# KiCad board Env-KB60F.kicad_pcb (continued)
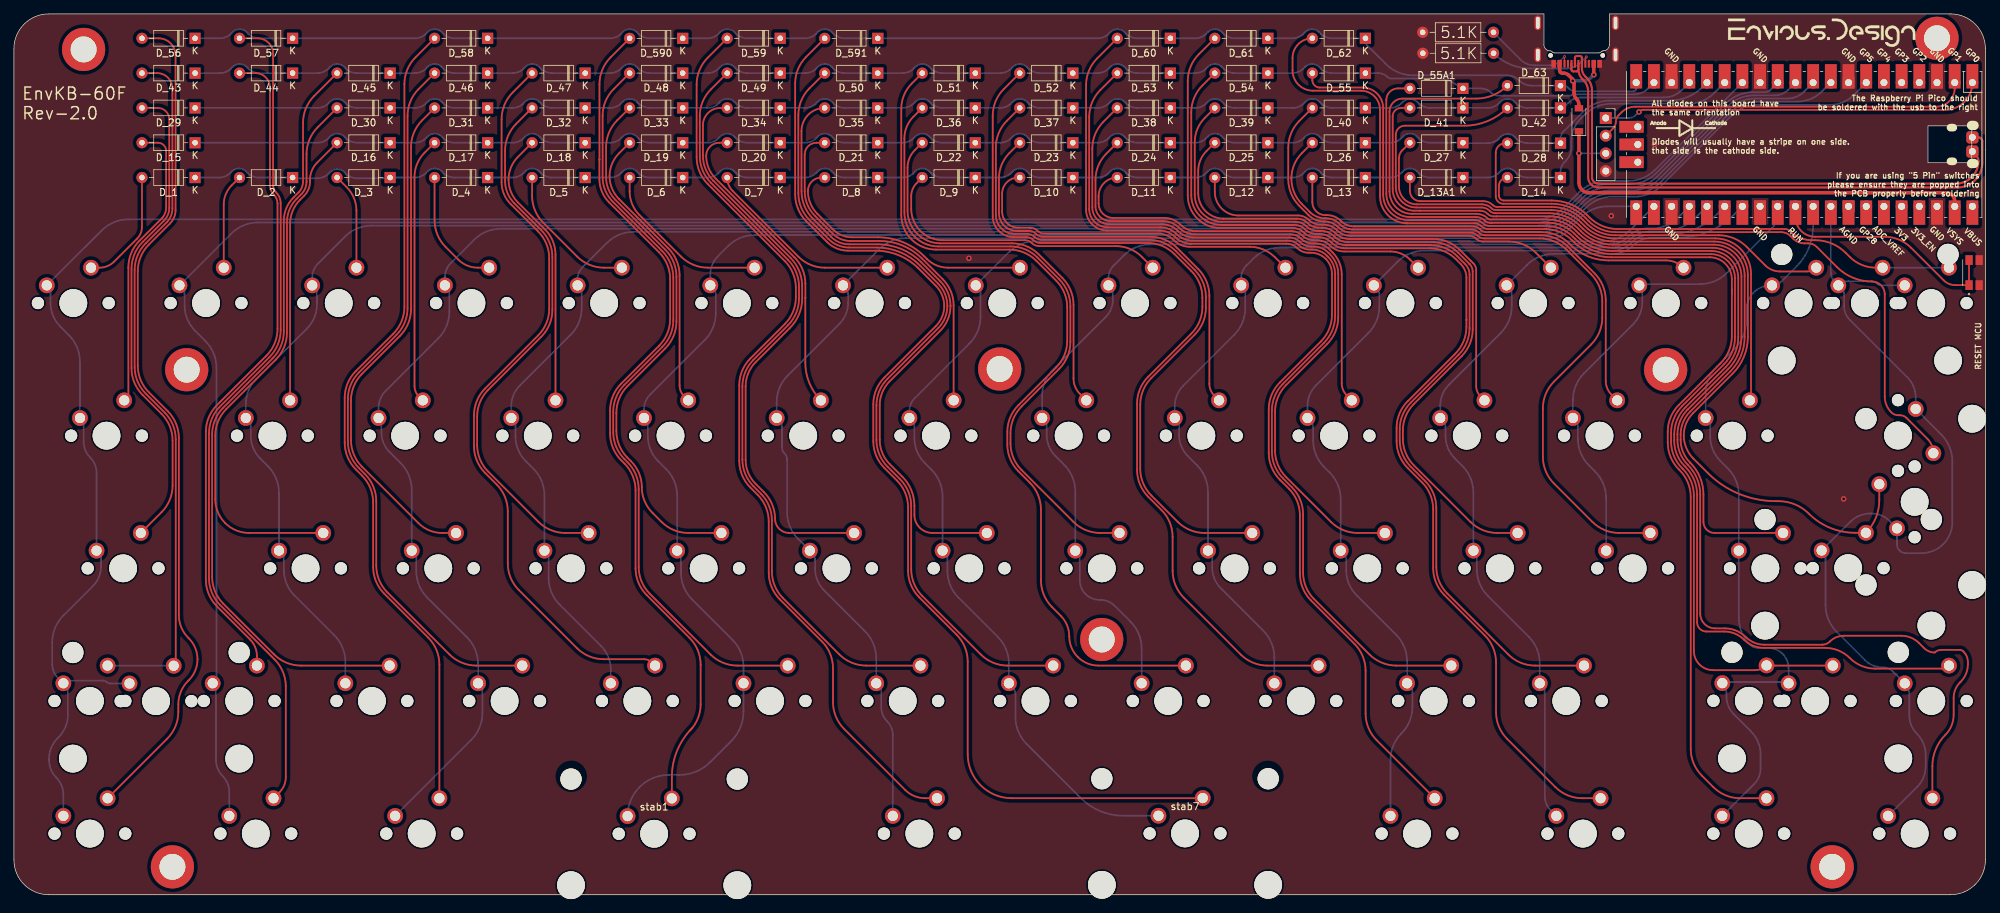
[diagram p0: board, top side]
## Routing (per net, layer and track width the routed paths; a pad name or vN(x,y) marks a point on that pad's centre or on a via; arc(x,y) is an arc through that point) (continued)
col6: length 199.8
  Bottom w0.25: U1.21 228.75,98.86 arc(226.67,98.45) 224.91,97.27 222.74,95.11 arc(221.85,94.51) 220.8,94.3 132.2,94.3 128.05,94.3 arc(125.97,93.89) 124.21,92.71 119.38,87.88 ; 109.49,69 109.49,70.74 arc(109.9,72.82) 111.08,74.58 118.5,82 arc(119.43,83.38) 119.75,85.02 119.75,86.26 arc(119.65,86.74) 119.38,87.15 ; K_61.1 126.16,22.92 arc(125.94,24) 125.33,24.92 arc(124.72,25.84) 124.5,26.92 124.5,29.13 arc(124.41,29.6) 124.14,30 ; 113.88,49.79 112.57,51.09 arc(111.4,52.86) 110.98,54.94 110.98,62.5 arc(110.89,62.98) 110.62,63.38 arc(110.35,63.79) 110.25,64.27 110.25,67.17 arc(110.15,67.66) 109.87,68.08 ; 123.78,30.88 123.78,33.97 arc(123.36,36.05) 122.18,37.82 116.3,43.7 arc(115.34,45.14) 115,46.83 115,48.14 arc(114.9,48.63) 114.63,49.04
col7: length 195.8
  Bottom w0.25: U1.22 231.99,95.44 arc(230.23,94.26) 228.15,93.85 146.65,93.85 arc(144.57,93.44) 142.81,92.26 K_8.1 ; K_612.1 159.24,11.34 arc(155.95,11.99) 153.16,13.86 145.36,21.66 arc(144.18,23.42) 143.77,25.51 143.77,28.76 arc(143.65,29.37) 143.3,29.9 ; 138.75,86.83 138.75,83 arc(138.34,80.92) 137.16,79.16 129.27,71.27 arc(128.73,70.46) 128.54,69.5 128.54,68.97 ; K_36.1 133.3,57.19 arc(132.89,59.28) 131.71,61.04 130.75,62 arc(129.64,63.66) 129.25,65.63 129.25,67.25 arc(129.16,67.72) 128.9,68.11 ; 142.83,31.03 142.83,33.17 arc(142.41,35.25) 141.23,37.02 135.58,42.67 arc(134.41,44.42) 134,46.48 134,48.72
col8: length 153.2
  Bottom w0.25: U1.24 238.88,97.25 arc(237.16,96.1) 235.14,95.7 234.58,95.7 arc(233.07,95.4) 231.8,94.55 arc(230.53,93.7) 229.02,93.4 224.55,93.4 163.15,93.4 arc(161.07,92.99) 159.31,91.81 157.86,90.36 arc(157.31,89.54) 157.12,88.57 K_9.1 ; K_37.1 152.35,57.89 arc(151.94,59.98) 150.76,61.74 149.51,62.99 arc(148.58,64.39) 148.25,66.03 148.25,67.81 ; 153,48.77 153,45.17 arc(153.21,44.09) 153.82,43.17 arc(154.74,42.56) 155.82,42.35 155.9,42.35 arc(157.05,42.12) 158.03,41.47 160.28,39.22 arc(161.46,37.45) 161.88,35.37 161.88,30.37 ; K_22.1 147.59,71.59 arc(148,73.67) 149.18,75.43 156.73,82.98 arc(157.49,84.11) 157.75,85.44 157.75,86.88
col9: length 135.5
  Bottom w0.25: 180.93,30.37 180.93,34.07 arc(180.51,36.15) 179.33,37.92 173.26,43.99 arc(172.33,45.39) 172,47.03 172,48.82 ; K_23.1 166.64,70.18 arc(166.95,71.76) 167.85,73.1 175.16,80.41 arc(176.34,82.17) 176.75,84.25 176.75,86.93 ; U1.25 241.48,97.31 arc(239.2,95.79) 236.5,95.25 234.76,95.25 arc(233.26,94.95) 231.99,94.1 arc(230.71,93.25) 229.21,92.95 226.95,92.95 181.75,92.95 arc(179.67,92.54) 177.91,91.36 176.91,90.36 arc(176.36,89.54) 176.16,88.57 176.16,87.52 ; 167.25,67.86 167.25,66.05 arc(167.58,64.39) 168.52,62.98 169.81,61.69 arc(170.99,59.93) 171.4,57.84 K_38.1
col10: length 135.9
  Bottom w0.25: 190.45,49.98 190.45,56.79 arc(190.04,58.88) 188.86,60.64 188.09,61.41 arc(186.91,63.17) 186.5,65.25 186.5,67.08 arc(186.39,67.61) 186.1,68.06 ; 199.98,30.91 199.98,33.52 arc(199.56,35.6) 198.38,37.37 192.71,43.04 arc(191.63,44.66) 191.25,46.56 191.25,48.05 arc(191.15,48.57) 190.85,49.02 ; 185.69,69.04 185.69,70.2 arc(186.01,71.81) 186.92,73.17 194.42,80.67 arc(195.59,82.42) 196,84.49 196,86.17 arc(195.9,86.69) 195.61,87.12 ; U1.26 244.43,97.72 arc(241.2,95.56) 237.38,94.8 234.95,94.8 arc(233.45,94.5) 232.17,93.65 arc(230.9,92.8) 229.4,92.5 202.45,92.5 arc(200.37,92.09) 198.61,90.91 195.61,87.91 ; K_62.1 197.6,19.37 arc(198.01,21.43) 199.17,23.17 arc(200.34,24.92) 200.75,26.98 200.75,29.05 arc(200.65,29.55) 200.36,29.98
col11: length 119.7
  Bottom w0.25: 214.63,87.88 217.21,90.46 arc(218.97,91.64) 221.05,92.05 229.58,92.05 arc(231.09,92.35) 232.36,93.2 arc(233.63,94.05) 235.14,94.35 238.86,94.35 arc(243.24,95.22) 246.95,97.7 U1.27 ; 219.03,30.88 219.03,33.22 arc(218.61,35.3) 217.43,37.07 211.56,42.94 arc(210.41,44.67) 210,46.71 210,48.92 ; K_40.1 209.5,57.74 arc(209.09,59.83) 207.91,61.59 206.81,62.69 arc(205.84,64.14) 205.5,65.85 205.5,67.17 arc(205.4,67.66) 205.12,68.08 ; 204.74,69 204.74,70.23 arc(205.06,71.86) 205.99,73.24 213.41,80.66 arc(214.59,82.42) 215,84.5 215,86.26 arc(214.9,86.74) 214.63,87.15 ; K_63.1 220.58,12.14 arc(219.97,13.06) 219.75,14.15 219.75,29.13 arc(219.66,29.6) 219.39,30
col12: length 67.1
  Bottom w0.25: 233.75,87.08 233.75,85.17 arc(233.4,83.4) 232.4,81.9 225.38,74.88 arc(224.2,73.12) 223.79,71.04 223.79,68.97 ; K_41.1 228.55,56.94 arc(228.14,59.03) 226.96,60.79 226.09,61.66 arc(224.91,63.42) 224.5,65.5 224.5,67.25 arc(224.41,67.72) 224.14,68.11 ; U1.29 253.19,97.72 arc(252.98,96.68) 252.39,95.79 245.89,89.29 arc(244.13,88.11) 242.05,87.7 233.5,87.7
col13: length 112.7
  Bottom w0.25: 243.5,67.81 243.5,65.78 arc(243.87,63.9) 244.93,62.32 246.01,61.24 arc(247.19,59.48) 247.6,57.39 247.6,39.76 arc(248.02,37.68) 249.2,35.91 arc(249.71,35.57) 250.32,35.45 251.78,35.45 arc(252.93,35.22) 253.9,34.57 arc(254.53,33.63) 254.75,32.53 254.75,30.37 arc(254.54,30.5) 254.3,30.55 245.62,30.55 arc(245.41,30.51) 245.23,30.39 arc(245.67,29.73) 245.82,28.95 245.82,28.5 arc(246.11,27.09) 246.9,25.9 249.35,23.45 arc(250.37,21.93) 250.73,20.12 250.73,18.09 arc(250.49,16.92) 249.83,15.92 K_64.1 ; K_27.1 242.84,71.99 arc(243.25,74.07) 244.43,75.83 246.95,78.35 arc(248.25,80.29) 248.7,82.57 248.7,84.1 arc(248.95,85.37) 249.68,86.45 arc(250.85,87.24) 252.25,87.52 K_13A1.1 arc(253.1,87.66) 253.73,88.08 255.9,90.25 arc(257.65,92.88) 258.27,95.97 U1.31
col14: length 133.8
  Bottom w0.25: U1.32 260.81,89.36 arc(260.95,88.65) 261.35,88.06 ; K_29.1 263.61,53.56 arc(264.93,54.44) 266.48,54.75 266.66,54.75 arc(268.05,54.47) 269.24,53.68 269.31,53.61 arc(270.04,52.51) 270.3,51.21 270.3,50.32 arc(270.4,49.84) 270.68,49.42 arc(271.09,49.15) 271.58,49.05 273.81,49.05 arc(275.51,49.39) 276.95,50.35 arc(277.91,51.79) 278.25,53.49 278.25,62.25 arc(277.84,64.33) 276.66,66.09 274.17,68.58 arc(273.3,69.89) 272.99,71.44 arc(272.68,72.98) 271.81,74.29 263.51,82.59 arc(262.92,83.48) 262.71,84.52 262.71,86.47 arc(262.67,86.68) 262.55,86.85 K_14.1 arc(262.57,87.97) 263.36,88.12 266.65,88.12 arc(267.04,88.05) 267.38,87.83 arc(267.72,87.59) 268.14,87.51 K_14B1.1 ; K_65.1 273.19,15.47 arc(274.1,16.84) 274.43,18.45 274.43,20.09 arc(274.1,21.72) 273.18,23.1 arc(272.36,24.32) 272.07,25.76 272.07,28.78 arc(271.9,29.63) K_57A1.1 269.78,32 arc(269.03,32.5) 268.15,32.67 arc(266.83,32.94) 265.72,33.68 261.64,37.76 arc(260.46,39.52) 260.05,41.6 260.05,48.88
row0: length 238.8
  Bottom w0.25: U1.15 244.05,115.12 arc(242.37,114) 240.38,113.6 229.29,113.6 arc(227.21,113.19) 225.44,112.01 224.93,111.5 arc(223.91,109.96) 223.55,108.16 223.55,107.3 arc(223.35,106.28) 222.77,105.43 222.58,105.23 arc(222.15,104.59) 222,103.83 arc(221.76,103.24) 221.18,103 217.22,103 arc(216.37,103.17) 215.65,103.65 215.42,103.88 arc(214.95,104.19) 214.4,104.3 arc(213.85,104.19) 213.38,103.88 213.15,103.65 arc(212.43,103.17) 211.58,103 207.1,103 ; 25.9,103 29.48,103 arc(30.33,103.17) 31.05,103.65 31.28,103.88 arc(31.75,104.19) 32.3,104.3 arc(32.85,104.19) 33.32,103.88 33.55,103.65 arc(34.27,103.17) 35.12,103 39.9,103 ; 207.1,103 D_13A1.1 ; 207.1,103 203.22,103 arc(202.37,103.17) 201.65,103.65 201.42,103.88 arc(200.95,104.19) 200.4,104.3 arc(199.85,104.19) 199.38,103.88 199.15,103.65 arc(198.43,103.17) 197.58,103 189.22,103 arc(188.37,103.17) 187.65,103.65 187.42,103.88 arc(186.95,104.19) 186.4,104.3 arc(185.85,104.19) 185.38,103.88 185.15,103.65 arc(184.43,103.17) 183.58,103 175.22,103 arc(174.37,103.17) 173.65,103.65 173.42,103.88 arc(172.95,104.19) 172.4,104.3 arc(171.85,104.19) 171.38,103.88 171.15,103.65 arc(170.43,103.17) 169.58,103 161.22,103 arc(160.37,103.17) 159.65,103.65 159.42,103.88 arc(158.95,104.19) 158.4,104.3 arc(157.85,104.19) 157.38,103.88 157.15,103.65 arc(156.43,103.17) 155.58,103 147.22,103 arc(146.37,103.17) 145.65,103.65 145.42,103.88 arc(144.95,104.19) 144.4,104.3 arc(143.85,104.19) 143.38,103.88 143.15,103.65 arc(142.43,103.17) 141.58,103 133.22,103 arc(132.37,103.17) 131.65,103.65 131.42,103.88 arc(130.95,104.19) 130.4,104.3 arc(129.85,104.19) 129.38,103.88 129.15,103.65 arc(128.43,103.17) 127.58,103 119.22,103 arc(118.37,103.17) 117.65,103.65 117.42,103.88 arc(116.95,104.19) 116.4,104.3 arc(115.85,104.19) 115.38,103.88 115.15,103.65 arc(114.43,103.17) 113.58,103 105.22,103 arc(104.37,103.17) 103.65,103.65 103.42,103.88 arc(102.95,104.19) 102.4,104.3 arc(101.85,104.19) 101.38,103.88 101.15,103.65 arc(100.43,103.17) 99.58,103 91.22,103 arc(90.37,103.17) 89.65,103.65 89.42,103.88 arc(88.95,104.19) 88.4,104.3 arc(87.85,104.19) 87.38,103.88 87.15,103.65 arc(86.43,103.17) 85.58,103 77.22,103 arc(76.37,103.17) 75.65,103.65 75.42,103.88 arc(74.95,104.19) 74.4,104.3 arc(73.85,104.19) 73.38,103.88 73.15,103.65 arc(72.43,103.17) 71.58,103 63.22,103 arc(62.37,103.17) 61.65,103.65 61.42,103.88 arc(60.95,104.19) 60.4,104.3 arc(59.85,104.19) 59.38,103.88 59.15,103.65 arc(58.43,103.17) 57.58,103 D_3.1 ; 40,102.9 43.58,102.9 arc(44.43,103.07) 45.15,103.55 45.38,103.78 arc(45.85,104.09) 46.4,104.2 arc(46.95,104.09) 47.42,103.78 47.65,103.55 arc(48.37,103.07) 49.22,102.9 54,102.9
row1: length 230
  Bottom w0.25: D_27.1 203.22,108 arc(202.37,108.17) 201.65,108.65 201.42,108.88 arc(200.95,109.19) 200.4,109.3 arc(199.85,109.19) 199.38,108.88 199.15,108.65 arc(198.43,108.17) 197.58,108 189.22,108 arc(188.37,108.17) 187.65,108.65 187.42,108.88 arc(186.95,109.19) 186.4,109.3 arc(185.85,109.19) 185.38,108.88 185.15,108.65 arc(184.43,108.17) 183.58,108 175.22,108 arc(174.37,108.17) 173.65,108.65 173.42,108.88 arc(172.95,109.19) 172.4,109.3 arc(171.85,109.19) 171.38,108.88 171.15,108.65 arc(170.43,108.17) 169.58,108 161.22,108 arc(160.37,108.17) 159.65,108.65 159.42,108.88 arc(158.95,109.19) 158.4,109.3 arc(157.85,109.19) 157.38,108.88 157.15,108.65 arc(156.43,108.17) 155.58,108 147.22,108 arc(146.37,108.17) 145.65,108.65 145.42,108.88 arc(144.95,109.19) 144.4,109.3 arc(143.85,109.19) 143.38,108.88 143.15,108.65 arc(142.43,108.17) 141.58,108 133.22,108 arc(132.37,108.17) 131.65,108.65 131.42,108.88 arc(130.95,109.19) 130.4,109.3 arc(129.85,109.19) 129.38,108.88 129.15,108.65 arc(128.43,108.17) 127.58,108 119.22,108 arc(118.37,108.17) 117.65,108.65 117.42,108.88 arc(116.95,109.19) 116.4,109.3 arc(115.85,109.19) 115.38,108.88 115.15,108.65 arc(114.43,108.17) 113.58,108 105.22,108 arc(104.37,108.17) 103.65,108.65 103.42,108.88 arc(102.95,109.19) 102.4,109.3 arc(101.85,109.19) 101.38,108.88 101.15,108.65 arc(100.43,108.17) 99.58,108 91.22,108 arc(90.37,108.17) 89.65,108.65 89.42,108.88 arc(88.95,109.19) 88.4,109.3 arc(87.85,109.19) 87.38,108.88 87.15,108.65 arc(86.43,108.17) 85.58,108 77.22,108 arc(76.37,108.17) 75.65,108.65 75.42,108.88 arc(74.95,109.19) 74.4,109.3 arc(73.85,109.19) 73.38,108.88 73.15,108.65 arc(72.43,108.17) 71.58,108 63.22,108 arc(62.37,108.17) 61.65,108.65 61.42,108.88 arc(60.95,109.19) 60.4,109.3 arc(59.85,109.19) 59.38,108.88 59.15,108.65 arc(58.43,108.17) 57.58,108 49.22,108 arc(48.37,108.17) 47.65,108.65 47.42,108.88 arc(46.95,109.19) 46.4,109.3 arc(45.85,109.19) 45.38,108.88 45.15,108.65 arc(44.43,108.17) 43.58,108 D_15.1 ; 208.02,107.95 211.6,107.95 arc(212.45,108.12) 213.17,108.6 213.4,108.83 arc(213.87,109.14) 214.42,109.25 arc(214.97,109.14) 215.44,108.83 215.67,108.6 arc(216.39,108.12) 217.24,107.95 222.02,107.95 ; U1.16 242.39,116 arc(240.23,114.56) 237.69,114.05 229.1,114.05 arc(227.02,113.64) 225.26,112.46 222.46,109.66 arc(222.13,109.16) 222.01,108.57
row2: length 225.2
  Bottom w0.25: D_29.1 43.58,113 arc(44.43,113.17) 45.15,113.65 45.38,113.88 arc(45.85,114.19) 46.4,114.3 arc(46.95,114.19) 47.42,113.88 47.65,113.65 arc(48.37,113.17) 49.22,113 57.58,113 arc(58.43,113.17) 59.15,113.65 59.38,113.88 arc(59.85,114.19) 60.4,114.3 arc(60.95,114.19) 61.42,113.88 61.65,113.65 arc(62.37,113.17) 63.22,113 71.58,113 arc(72.43,113.17) 73.15,113.65 73.38,113.88 arc(73.85,114.19) 74.4,114.3 arc(74.95,114.19) 75.42,113.88 75.65,113.65 arc(76.37,113.17) 77.22,113 85.58,113 arc(86.43,113.17) 87.15,113.65 87.38,113.88 arc(87.85,114.19) 88.4,114.3 arc(88.95,114.19) 89.42,113.88 89.65,113.65 arc(90.37,113.17) 91.22,113 99.58,113 arc(100.43,113.17) 101.15,113.65 101.38,113.88 arc(101.85,114.19) 102.4,114.3 arc(102.95,114.19) 103.42,113.88 103.65,113.65 arc(104.37,113.17) 105.22,113 113.58,113 arc(114.43,113.17) 115.15,113.65 115.38,113.88 arc(115.85,114.19) 116.4,114.3 arc(116.95,114.19) 117.42,113.88 117.65,113.65 arc(118.37,113.17) 119.22,113 127.58,113 arc(128.43,113.17) 129.15,113.65 129.38,113.88 arc(129.85,114.19) 130.4,114.3 arc(130.95,114.19) 131.42,113.88 131.65,113.65 arc(132.37,113.17) 133.22,113 141.58,113 arc(142.43,113.17) 143.15,113.65 143.38,113.88 arc(143.85,114.19) 144.4,114.3 arc(144.95,114.19) 145.42,113.88 145.65,113.65 arc(146.37,113.17) 147.22,113 155.58,113 arc(156.43,113.17) 157.15,113.65 157.38,113.88 arc(157.85,114.19) 158.4,114.3 arc(158.95,114.19) 159.42,113.88 159.65,113.65 arc(160.37,113.17) 161.22,113 169.58,113 arc(170.43,113.17) 171.15,113.65 171.38,113.88 arc(171.85,114.19) 172.4,114.3 arc(172.95,114.19) 173.42,113.88 173.65,113.65 arc(174.37,113.17) 175.22,113 183.58,113 arc(184.43,113.17) 185.15,113.65 185.38,113.88 arc(185.85,114.19) 186.4,114.3 arc(186.95,114.19) 187.42,113.88 187.65,113.65 arc(188.37,113.17) 189.22,113 197.58,113 arc(198.43,113.17) 199.15,113.65 199.38,113.88 arc(199.85,114.19) 200.4,114.3 arc(200.95,114.19) 201.42,113.88 201.65,113.65 arc(202.37,113.17) 203.22,113 211.58,113 arc(212.43,113.17) 213.15,113.65 213.38,113.88 arc(213.85,114.19) 214.4,114.3 arc(214.95,114.19) 215.42,113.88 215.65,113.65 arc(216.37,113.17) 217.22,113 D_42.1 ; 222.39,113 223.14,113.75 arc(223.97,114.31) 224.95,114.5 236.84,114.5 arc(238.23,114.78) 239.42,115.57 U1.17
row3: length 219.5
  Bottom w0.25: D_43.1 29.58,118 arc(30.43,118.17) 31.15,118.65 31.38,118.88 arc(31.85,119.19) 32.4,119.3 arc(32.95,119.19) 33.42,118.88 33.65,118.65 arc(34.37,118.17) 35.22,118 43.58,118 arc(44.43,118.17) 45.15,118.65 45.38,118.88 arc(45.85,119.19) 46.4,119.3 arc(46.95,119.19) 47.42,118.88 47.65,118.65 arc(48.37,118.17) 49.22,118 57.58,118 arc(58.43,118.17) 59.15,118.65 59.38,118.88 arc(59.85,119.19) 60.4,119.3 arc(60.95,119.19) 61.42,118.88 61.65,118.65 arc(62.37,118.17) 63.22,118 71.58,118 arc(72.43,118.17) 73.15,118.65 73.38,118.88 arc(73.85,119.19) 74.4,119.3 arc(74.95,119.19) 75.42,118.88 75.65,118.65 arc(76.37,118.17) 77.22,118 85.58,118 arc(86.43,118.17) 87.15,118.65 87.38,118.88 arc(87.85,119.19) 88.4,119.3 arc(88.95,119.19) 89.42,118.88 89.65,118.65 arc(90.37,118.17) 91.22,118 99.58,118 arc(100.43,118.17) 101.15,118.65 101.38,118.88 arc(101.85,119.19) 102.4,119.3 arc(102.95,119.19) 103.42,118.88 103.65,118.65 arc(104.37,118.17) 105.22,118 113.58,118 arc(114.43,118.17) 115.15,118.65 115.38,118.88 arc(115.85,119.19) 116.4,119.3 arc(116.95,119.19) 117.42,118.88 117.65,118.65 arc(118.37,118.17) 119.22,118 127.58,118 arc(128.43,118.17) 129.15,118.65 129.38,118.88 arc(129.85,119.19) 130.4,119.3 arc(130.95,119.19) 131.42,118.88 131.65,118.65 arc(132.37,118.17) 133.22,118 141.58,118 arc(142.43,118.17) 143.15,118.65 143.38,118.88 arc(143.85,119.19) 144.4,119.3 arc(144.95,119.19) 145.42,118.88 145.65,118.65 arc(146.37,118.17) 147.22,118 155.58,118 arc(156.43,118.17) 157.15,118.65 157.38,118.88 arc(157.85,119.19) 158.4,119.3 arc(158.95,119.19) 159.42,118.88 159.65,118.65 arc(160.37,118.17) 161.22,118 169.58,118 arc(170.43,118.17) 171.15,118.65 171.38,118.88 arc(171.85,119.19) 172.4,119.3 arc(172.95,119.19) 173.42,118.88 173.65,118.65 arc(174.37,118.17) 175.22,118 183.52,118 arc(184.37,118.17) 185.09,118.65 185.32,118.88 arc(185.79,119.19) 186.34,119.3 arc(186.89,119.19) 187.36,118.88 187.59,118.65 arc(188.31,118.17) 189.16,118 193.46,118 ; U1.19 234.56,115.8 arc(233.63,115.17) 232.52,114.95 223.84,114.95 arc(223.71,114.92) 223.6,114.85 arc(223.49,114.78) 223.36,114.75 213.07,114.75 arc(212.54,114.85) 212.1,115.15 arc(211.38,115.63) 210.53,115.8 207.7,115.8 arc(206.12,116.85) 204.26,117.22 197.68,117.22 arc(197.42,117.28) 197.2,117.42 arc(196.56,117.85) 195.81,118 D_55.1
row4: length 215.5
  Bottom w0.25: 221.6,116.2 217.87,116.2 arc(216.9,116.39) 216.07,116.94 arc(215.25,117.5) 214.28,117.69 200.8,117.69 arc(198.72,118.1) 196.96,119.28 194.27,121.97 arc(194.07,122.27) 194,122.62 ; 96,123 99.58,123 arc(100.43,123.17) 101.15,123.65 101.38,123.88 arc(101.85,124.19) 102.4,124.3 arc(102.95,124.19) 103.42,123.88 103.65,123.65 arc(104.37,123.17) 105.22,123 113.59,123 arc(114.44,123.17) 115.16,123.65 115.38,123.88 arc(115.85,124.19) 116.41,124.3 arc(116.96,124.19) 117.43,123.88 117.66,123.65 arc(118.38,123.17) 119.23,123 155.58,123 arc(156.43,123.17) 157.15,123.65 157.38,123.88 arc(157.85,124.19) 158.4,124.3 arc(158.95,124.19) 159.42,123.88 159.65,123.65 arc(160.37,123.17) 161.22,123 169.58,123 arc(170.43,123.17) 171.15,123.65 171.38,123.88 arc(171.85,124.19) 172.4,124.3 arc(172.95,124.19) 173.42,123.88 173.65,123.65 arc(174.37,123.17) 175.22,123 183.52,123 arc(184.37,123.17) 185.09,123.65 185.32,123.88 arc(185.79,124.19) 186.34,124.3 arc(186.89,124.19) 187.36,123.88 187.59,123.65 arc(188.31,123.17) 189.16,123 193.62,123 ; D_56.1 29.58,123 arc(30.43,123.17) 31.15,123.65 31.38,123.88 arc(31.85,124.19) 32.4,124.3 arc(32.95,124.19) 33.42,123.88 33.65,123.65 arc(34.37,123.17) 35.22,123 57.58,123 arc(58.43,123.17) 59.15,123.65 59.38,123.88 arc(59.85,124.19) 60.4,124.3 arc(60.95,124.19) 61.42,123.88 61.65,123.65 arc(62.37,123.17) 63.22,123 85.59,123 arc(86.43,123.17) 87.15,123.65 87.38,123.88 arc(87.85,124.19) 88.4,124.3 arc(88.96,124.19) 89.43,123.88 89.65,123.65 arc(90.37,123.17) 91.22,123 95.99,123 ; U1.20 232.87,115.78 arc(232.84,115.63) 232.76,115.51 arc(232.64,115.43) 232.49,115.4 224.17,115.4 arc(223.64,115.5) 223.2,115.8 223.08,115.92 arc(222.77,116.13) 222.4,116.2
RUNPIN: length 34.2
  Top w0.25: SW1.1' SW1.1 278.67,87.55 arc(277.77,87.73) 277.01,88.24 272.34,92.91 arc(270.58,94.09) 268.5,94.5 258.56,94.5 arc(256.56,95.33) 255.73,97.33 U1.30
SCL: length 54.5
  Top w0.25: U1.2 278.59,115.84 arc(277.81,113.96) 275.92,113.17 232.72,113.17 arc(231.66,112.96) 230.76,112.36 230.34,111.94 arc(230.05,111.51) 229.95,111 arc(229.85,110.5) 229.56,110.07 J1.2
SDA: length 55.3
  Top w0.25: v2(233.27,112.42) 233.43,112.58 arc(233.59,112.69) 233.79,112.72 277.21,112.72 arc(279.98,113.87) U1.1
  Bottom w0.25: v2(233.27,112.42) 232.84,111.99 arc(232.35,111.66) 231.78,111.55 J1.1
USB2_N: length 78.5
  Top w0.3: USB1.A7 224.07,120.2 arc(224.15,120.38) 224.32,120.45 224.82,120.45 arc(225,120.38) 225.07,120.2 225.07,118.67 arc(225.2,118.05) 225.55,117.53 225.8,117.28 arc(226.34,116.47) 226.52,115.53 226.52,103.04 arc(226.79,102.39) 227.44,102.12 278.76,102.12 arc(281.05,103.07) 282,105.36 arc(281.91,105.82) 281.65,106.21
USB2_P: length 83.1
  Top w0.3: U1.TP3 282.01,108.77 arc(282.22,108.72) 282.39,108.61 arc(282.51,108.43) 282.55,108.23 282.55,105.12 arc(281.51,102.61) 279,101.58 227.44,101.58 arc(226.41,102.01) 225.98,103.04 225.98,115.33 arc(225.79,116.25) 225.27,117.02 225.15,117.15 arc(224.72,117.79) 224.57,118.53 224.57,118.5 ; 224.57,118.5 USB1.A6 ; 224.57,118.5 arc(224.5,118.32) 224.32,118.25 223.82,118.25 arc(223.65,118.32) 223.57,118.5 USB1.B6
VSYS: length 67.5
  Top w0.25: 224.65,106.44 v2(224.65,106.47)
  Top w0.5: U1.39 278.59,99.6 arc(278.5,100.07) 278.23,100.47 arc(277.84,100.73) 277.37,100.83 226.1,100.83 arc(225.07,101.25) 224.65,102.28 D_64.1
  Bottom w0.25: J1.3 224.66,106.47 arc(224.66,106.47) 224.65,106.47 v2(224.65,106.47)
Net-(D_1-A): length 17.2
  Top w0.25: 11.06,90.06 12.29,90.06 arc(13.42,90.28) 14.37,90.92 17.68,94.23 arc(18.2,95) 18.38,95.91 D_1.2
Net-(D_2-A): length 13.7
  Top w0.25: D_2.2 31.25,101.87 arc(30.41,100.61) 30.11,99.13 30.11,90.06
Net-(D_3-A): length 13.9
  Top w0.25: 49.17,90.06 49.17,98.25 arc(48.8,100.07) 47.77,101.61 D_3.2
Net-(D_4-A): length 17.7
  Top w0.25: 68.22,90.06 66.58,90.06 arc(65.07,90.36) 63.79,91.21 61.97,93.03 arc(60.79,94.79) 60.38,96.87 D_4.2
Net-(D_5-A): length 20.6
  Top w0.25: 87.26,90.06 84.7,90.06 arc(82.62,90.47) 80.85,91.65 75.97,96.53 arc(74.79,98.29) 74.38,100.37 D_5.2
Net-(D_6-A): length 25.2
  Top w0.25: 106.31,90.06 99.61,90.06 arc(97.53,90.47) 95.76,91.65 89.78,97.63 arc(88.74,99.18) 88.38,101.01 D_6.2
Net-(D_7-A): length 28.7
  Top w0.25: 125.37,90.06 116.4,90.06 arc(114.35,90.46) 112.62,91.62 103.19,101.05 arc(102.59,101.95) D_7.2
Net-(D_8-A): length 38.7
  Top w0.25: 144.41,90.06 134.08,90.06 arc(132.44,90.38) 131.05,91.31 131.05,91.32 130.69,91.67 arc(127.65,93.71) 124.06,94.42 120.31,94.42 arc(118.82,94.72) 117.56,95.56 115.33,97.79 arc(114.32,99.3) 113.97,101.07 arc(114.54,102.43) 115.9,103 D_8.2
Net-(D_9-A): length 43.5
  Top w0.25: D_9.2 129.59,102.21 arc(129.01,101.33) 128.8,100.3 128.8,98.52 arc(130.12,95.33) 133.32,94 145.11,94 arc(145.66,93.89) 146.13,93.58 arc(146.6,93.26) 147.16,93.15 158.18,93.15 arc(160.2,92.75) 161.92,91.6 163.47,90.06
Net-(D_10-A): length 50.2
  Top w0.25: D_10.2 144.17,103 arc(142.53,102.32) 141.85,100.68 141.85,98.13 arc(142.53,96.48) 144.18,95.8 145.87,95.8 arc(146.43,95.69) 146.9,95.38 arc(147.37,95.06) 147.92,94.95 164.2,94.95 arc(165.44,94.7) 166.49,94 arc(167.54,93.3) 168.78,93.05 177.39,93.05 arc(179.35,92.66) 181.02,91.55 182.51,90.06
Net-(D_11-A): length 54.4
  Top w0.25: 201.56,90.06 200.4,91.22 arc(199.11,92.08) 197.59,92.38 190.93,92.38 arc(189.87,92.59) 188.97,93.19 arc(188.07,93.79) 187.01,94 186.54,94 arc(185.69,94.17) 184.97,94.65 arc(184.25,95.13) 183.4,95.3 169.71,95.3 arc(168.47,95.55) 167.42,96.25 arc(166.37,96.95) 165.13,97.2 157.78,97.2 arc(156.31,97.81) 155.7,99.28 155.7,100.32 arc(156.48,102.22) D_11.2
Net-(D_12-A): length 54.5
  Top w0.25: 220.62,90.06 218.46,92.21 arc(216.7,93.39) 214.61,93.8 210.9,93.8 arc(210.36,93.91) 209.9,94.22 arc(209.44,94.52) 208.9,94.63 191.86,94.63 arc(190.8,94.84) 189.9,95.44 arc(189.01,96.04) 187.95,96.25 187.47,96.25 arc(186.62,96.42) 185.9,96.9 arc(185.18,97.38) 184.33,97.55 175.78,97.55 arc(173.38,98.55) 172.38,100.95 D_12.2
Net-(D_13-A): length 59.9
  Top w0.25: D_13.2 186.38,99.48 arc(186.93,98.15) 188.26,97.6 188.5,97.6 arc(189.56,97.39) 190.46,96.79 arc(191.36,96.19) 192.42,95.98 209.46,95.98 arc(210,95.87) 210.46,95.56 arc(210.92,95.26) 211.46,95.15 219.37,95.15 arc(221.45,94.74) 223.22,93.56 223.39,93.39 arc(225.92,91.69) 228.91,91.1 237.14,91.1 arc(238.51,90.83) 239.67,90.06
Net-(D_13A1-A): length 64.4
  Top w0.25: D_13A1.2 200.38,101.11 arc(200.82,100.04) 201.89,99.6 201.9,99.61 210.93,99.61 arc(211.66,99.46) 212.28,99.05 arc(212.58,98.85) 212.93,98.78 220.69,98.78 arc(223.17,98.29) 225.28,96.88 225.76,96.4 arc(227.63,95.15) 229.84,94.71 244.7,94.71 arc(246.89,94.27) 248.74,93.04 251.39,90.39 arc(252.37,89.74) 253.52,89.51 257.4,89.51 arc(258.11,89.65) 258.72,90.06
Net-(D_14-A): length 71
  Top w0.25: 268.24,90.06 267.26,90.06 arc(265.24,90.46) 263.53,91.6 262.93,92.2 arc(260.94,93.53) 258.58,94 258.11,94 arc(256.38,94.34) 254.92,95.32 arc(254.6,95.53) 254.22,95.61 230.18,95.61 arc(228.01,96.04) 226.17,97.27 225.87,97.57 arc(223.51,99.15) 220.73,99.7 213.88,99.7 arc(213.37,99.91) 213.16,100.42 213.16,101.78 arc(213.52,102.64) D_14.2
  Bottom w0.25: K_14B1.2 268.25,90.05 arc(268.25,90.05) 268.24,90.06
Net-(D_15-A): length 40.6
  Top w0.25: 19.08,108 20.67,108 arc(21.5,107.65) 21.85,106.82 21.85,98.7 arc(21.68,97.83) 21.18,97.09 18.02,93.93 arc(16.84,92.16) 16.43,90.08 16.43,71.6
Net-(D_16-A): length 39.3
  Top w0.25: D_16.2 43.52,105.14 arc(42.77,104.01) 42.5,102.67 42.5,102.41 arc(42.28,101.32) 41.66,100.39 41.07,99.8 arc(40.01,98.21) 39.64,96.34 K_16.2
Net-(D_17-A): length 37.5
  Top w0.25: D_17.2 58.94,106.56 arc(57.87,104.96) 57.5,103.08 57.5,73.04 arc(57.65,72.26) 58.09,71.6
Net-(D_18-A): length 40.6
  Top w0.25: D_18.2 72.36,105.98 arc(71.35,104.47) 71,102.7 arc(71.35,100.92) 72.36,99.41 76.26,95.51 arc(77.36,93.87) 77.74,91.94 K_18.2
Net-(D_19-A): length 41.3
  Top w0.25: D_19.2 86.86,106.48 arc(85.85,104.97) 85.5,103.2 arc(85.85,101.42) 86.86,99.91 93.96,92.82 arc(95.14,91.05) 95.55,88.97 95.55,73.12 arc(95.71,72.31) 96.17,71.62
Net-(D_20-A): length 45.3
  Top w0.25: D_20.2 101.25,108 arc(99.92,107.45) 99.37,106.12 arc(99.72,104.36) 100.71,102.88 112.04,91.55 arc(113.2,89.81) 113.61,87.76 113.61,85.74 113.6,85.73 113.6,76.41 arc(114.18,73.49) K_20.2
Net-(D_21-A): length 52.4
  Top w0.25: K_21.2 134.89,84.64 arc(134.49,86.66) 133.34,88.38 130.35,91.37 arc(127.56,93.24) 124.27,93.89 120.05,93.89 arc(118.7,94.16) 117.56,94.92 114.97,97.51 arc(113.89,99.13) 113.51,101.03 113.51,106.3 arc(114.01,107.5) 115.21,108 D_21.2
Net-(D_22-A): length 55.8
  Top w0.25: K_22.2 153.02,71.93 arc(152.34,72.94) 152.1,74.15 152.1,84.72 arc(151.69,86.8) 150.51,88.57 147.11,91.96 arc(145.35,93.14) 143.27,93.55 132.99,93.55 arc(129.66,94.94) 128.27,98.27 128.27,104.4 arc(128.55,105.78) 129.33,106.95 D_22.2
Net-(D_23-A): length 61.9
  Top w0.25: D_23.2 142.89,106.51 arc(141.79,104.86) 141.4,102.91 141.4,97.87 arc(142.14,96.09) 143.92,95.35 145.67,95.35 arc(146.22,95.24) 146.69,94.93 arc(147.16,94.61) 147.72,94.5 163.11,94.5 arc(165.19,94.09) 166.95,92.91 170.01,89.85 arc(171.19,88.09) 171.6,86.01 171.6,73.38 arc(171.78,72.47) 172.29,71.7
Net-(D_24-A): length 68.8
  Top w0.25: D_24.2 156.82,106.44 arc(155.66,104.7) 155.25,102.66 155.25,98.89 arc(155.88,97.38) 157.39,96.75 164.95,96.75 arc(166.19,96.5) 167.24,95.8 arc(168.29,95.1) 169.53,94.85 183.22,94.85 arc(184.07,94.68) 184.79,94.2 arc(185.51,93.72) 186.35,93.55 186.71,93.55 arc(187.88,93.32) 188.87,92.66 189.29,92.24 arc(190.26,90.79) 190.6,89.07 190.6,73.46 arc(190.79,72.52) 191.32,71.72 K_24.2
Net-(D_25-A): length 71
  Top w0.25: D_25.2 171.19,106.81 arc(170.31,105.49) 170,103.94 170,100.74 arc(171.07,98.17) 173.64,97.1 184.15,97.1 arc(185,96.93) 185.72,96.45 arc(186.44,95.97) 187.29,95.8 187.76,95.8 arc(188.82,95.59) 189.72,94.99 arc(190.62,94.39) 191.68,94.18 203.77,94.18 arc(205.81,93.77) 207.55,92.61 209.1,91.06 arc(209.11,91.05) 209.12,91.05 arc(209.12,91.05) 209.13,91.05 209.51,90.66 arc(209.8,90.23) 209.9,89.73 209.9,73.04 arc(210.05,72.26) 210.5,71.6
Net-(D_26-A): length 74.9
  Top w0.25: D_26.2 184.88,106.5 arc(183.77,104.83) 183.38,102.87 183.38,102.85 arc(183.77,100.86) 184.89,99.18 186.03,98.05 arc(187.02,97.38) 188.2,97.15 188.32,97.15 arc(189.38,96.94) 190.28,96.34 arc(191.17,95.74) 192.23,95.53 209.27,95.53 arc(209.81,95.42) 210.27,95.11 arc(210.73,94.81) 211.27,94.7 219.18,94.7 arc(221.27,94.29) 223.03,93.11 226.91,89.23 arc(228.09,87.47) 228.5,85.39 228.5,73.8 arc(228.71,72.73) 229.32,71.83 K_26.2
Net-(D_27-A): length 81.4
  Top w0.25: D_27.2 199.28,106.9 arc(198.93,106.38) 198.81,105.76 198.81,101.72 arc(199.56,99.9) 201.38,99.15 210.72,99.15 arc(211.49,99) 212.14,98.56 arc(212.39,98.39) 212.7,98.33 213.14,98.33 213.14,98.33 220.61,98.33 arc(222.98,97.86) 224.99,96.52 225.48,96.03 arc(227.44,94.72) 229.75,94.26 244.21,94.26 arc(247.85,92.75) 249.36,89.11 249.36,71.17 arc(249.31,71.05) K_27.2
Net-(D_28-A): length 95.9
  Top w0.25: D_28.2 214.09,107.94 arc(213.11,107.53) 212.71,106.56 212.71,100.31 arc(213.02,99.55) 213.78,99.24 220.7,99.24 arc(223.34,98.72) 225.58,97.22 226.03,96.77 arc(227.81,95.58) 229.92,95.16 253.68,95.16 arc(254.41,95.01) 255.03,94.6 255.4,94.23 arc(256.15,93.73) 257.04,93.55 257.54,93.55 arc(258.22,93.41) 258.8,93.03 261.68,90.15 arc(264,88.6) 266.73,88.06 arc(268.02,87.53) 268.55,86.24 268.55,71.55 arc(268.79,70.32) 269.49,69.28 arc(269.96,68.97) 270.5,68.86 270.75,68.86 arc(271.25,68.76) 271.67,68.48 274.67,65.48 arc(275.31,64.53) K_28.2
Net-(D_29-A): length 69.1
  Top w0.25: 19.08,113 20.65,113 arc(21.82,112.52) 22.3,111.35 22.3,98.65 arc(22.1,97.65) 21.54,96.81 18.47,93.74 arc(17.29,91.98) 16.88,89.89 16.88,75.63 arc(17.29,73.55) 18.47,71.78 21.18,69.07 arc(22.36,67.3) 22.78,65.22 22.78,58.78 arc(22.36,56.69) 21.18,54.93 K_30.2
Net-(D_30-A): length 80.7
  Top w0.25: D_30.2 43.59,110.21 arc(42.41,108.45) 42,106.37 42,102.39 arc(41.81,101.44) 41.28,100.64 40.59,99.96 arc(39.56,98.4) 39.19,96.57 39.19,80.71 arc(38.78,78.63) 37.6,76.86 30.49,69.76 arc(29.31,67.99) 28.9,65.91 28.9,56.81 arc(29.27,54.95) 30.32,53.38 arc(31.9,52.32) 33.76,51.95 K_31.2
